# KiCad board HW.ACIM-PSU.kicad_pcb (continued)
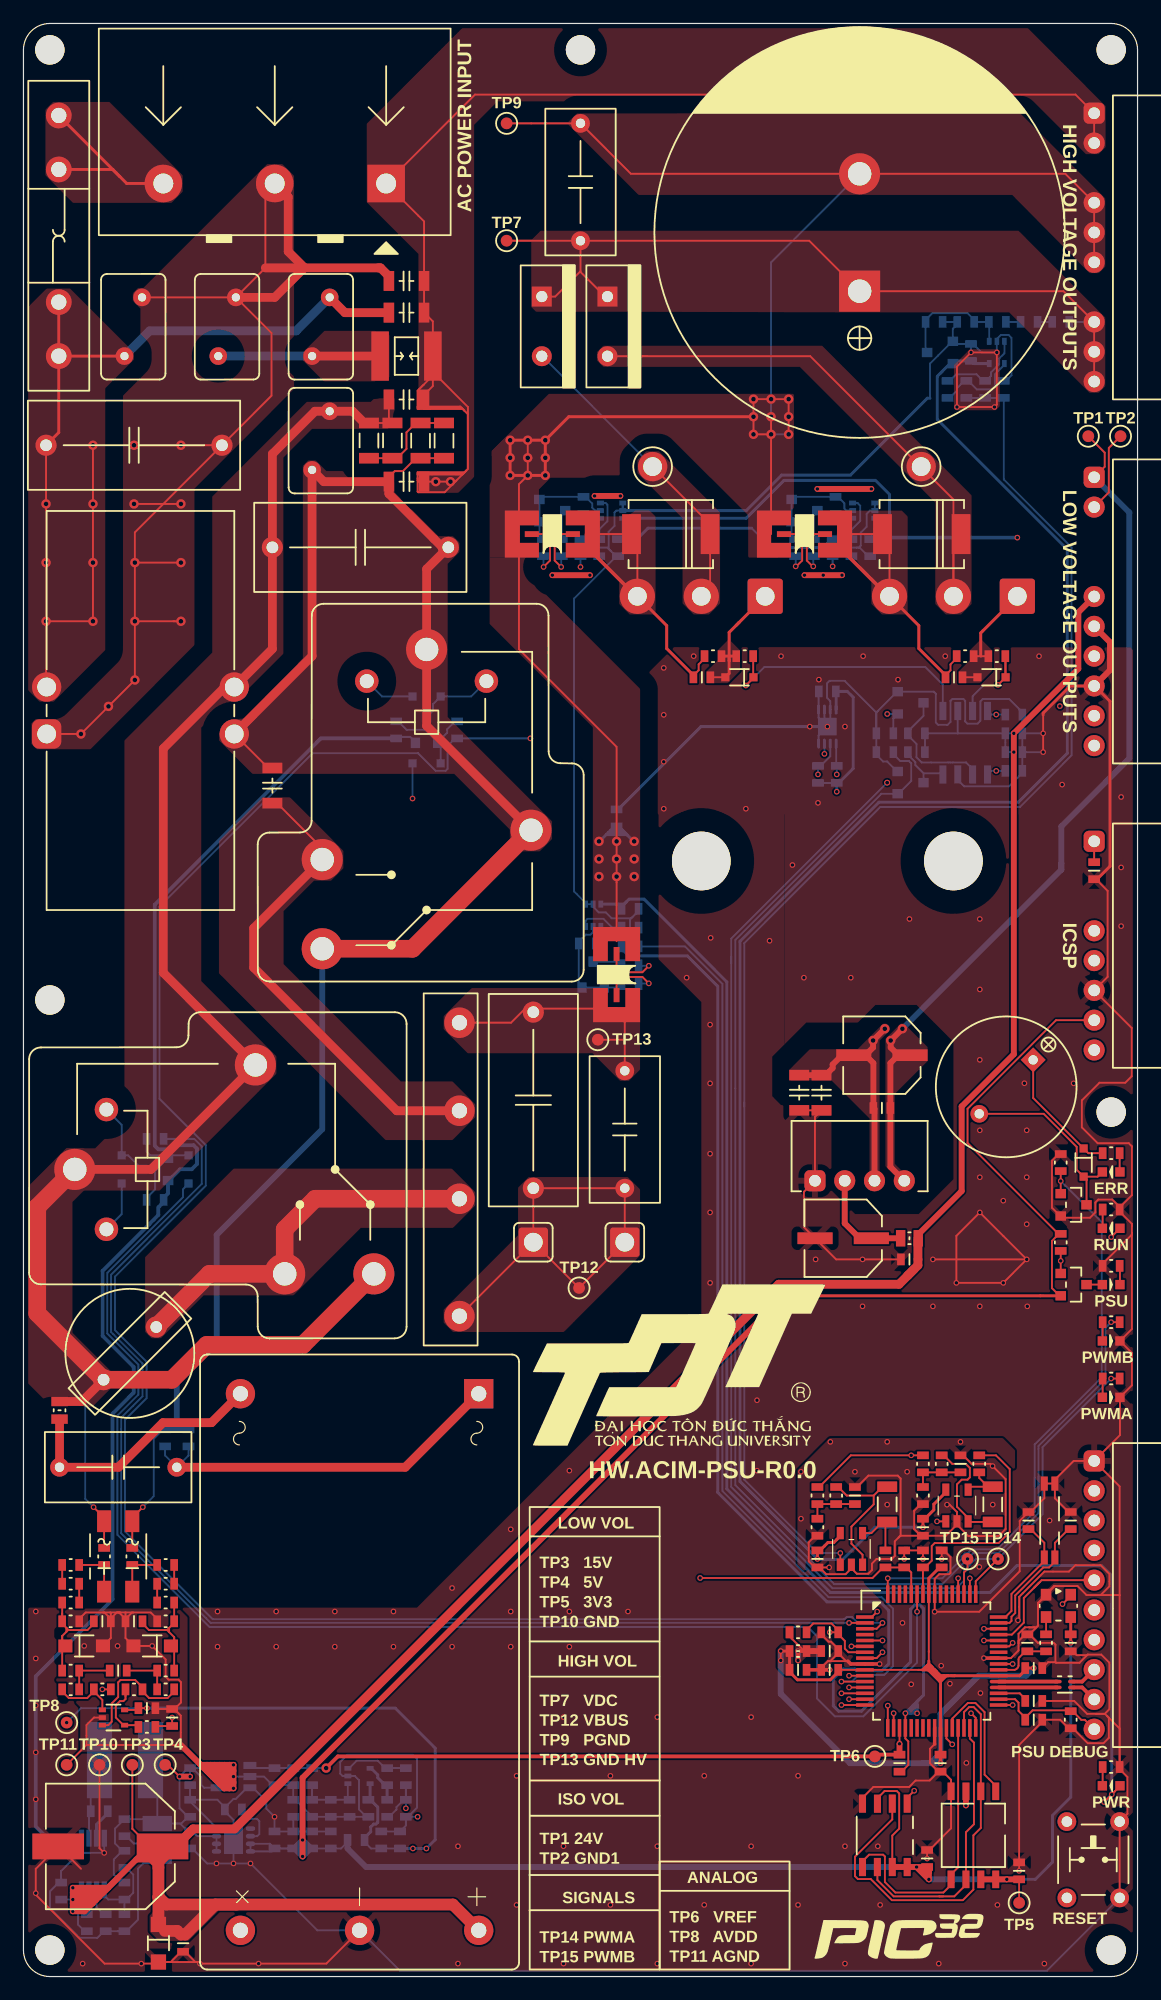
[diagram p0: board, top side]
## Routing (per net, layer and track width the routed paths; a pad name or vN(x,y) marks a point on that pad's centre or on a via; arc(x,y) is an arc through that point) (continued)
GND1: length 86.9
  Top w0.16: J4.2 92.55,126.44 92.55,130.24 TP2.1
  Top w0.5: 71.8,78.5 72.47,77.83 C16.1 72.57,73.91 MD2.3 ; 71.8,78.5 72.45,79.15 v2(72.45,79.75) v2(73.45,80.75) ; 71.8,78.5 69.8,78.5 69,77.7 69,77.4 68.4,76.8 C15.2 C14.2
  In1.Cu w0.5: v2(73.45,80.75) v2(72.45,79.75)
  In2.Cu w0.5: v2(72.45,79.75) v2(73.45,80.75) 74.33,81.63 75.8,81.63 88.5,94.33 88.5,97.98 94.3,103.78 94.3,122.19 J4.2
  Bottom w0.5: v2(73.45,80.75) v2(72.45,79.75)
GND_HV: length 25.8
  Top w0.16: 48.63,82.47 48.68,82.52 R15.1 ; 48.63,82.47 50.03,82.47 50.08,82.52 ; 48.63,82.47 42.78,82.47 41.58,81.27 BR1.4 ; 50.08,82.52 51.28,81.32 51.28,79.82 ; 50.08,82.52 R15.1 ; C28.1 51.28,79.82 ; 51.28,79.82 TP13.1 ; R15.1 52.33,82.52
PGND: length 199.6
  Top w0.16: TP9.1 C43.1 51.8,153.59 C44.- 88.84,153.59 J2.4 J2.6 ; 65.25,131.34 v2(65.25,134.39) v2(62.25,134.39) v2(62.25,131.39) v2(63.75,131.39) ; R28.1 v2(63.75,131.39) ; v2(63.75,131.39) v2(63.75,132.89) ; v2(43,130.89) v2(43,127.89) 42.25,127.14 R19.1 42.25,113.09 50.58,104.77 R15.2
  Top w0.25: v2(44.5,130.89) 46.5,132.89 v2(62.25,132.89) ; v2(44.5,130.89) v2(44.5,127.89) v2(41.5,127.89) v2(41.5,130.89) v2(44.5,130.89)
  Bottom w0.16: v2(65.25,131.39) v2(62.25,131.39) v2(62.25,134.39) v2(65.25,134.39) ; C44.- 63.75,146.04 v2(63.75,131.39)
  Bottom w0.25: FT3.2 50.4,97.99 50.05,97.64 ; FT3.2 v2(50.58,96.72) ; FT3.2 50.75,97.99 51.18,97.57 ; 51.18,97.57 51.1,97.64 50.05,97.64 ; 51.18,97.57 51.28,97.47 ; 51.5,97.25 52.03,96.72 v2(52.08,96.72) ; 51.5,97.25 51.28,97.47 ; 51.5,97.25 51.45,97.29 49.7,97.29 ; v2(49.08,96.72) 49.12,96.72 49.7,97.29 ; 51.28,97.47 49.88,97.47 ; 49.7,97.29 49.88,97.47 ; 49.88,97.47 50.05,97.64
  vias: v2(41.5,129.39) v2(43,129.39) v2(44.5,129.39) v2(49.08,95.22) v2(49.08,93.72) v2(50.58,95.22) v2(50.58,93.72) v2(52.08,95.22) v2(52.08,93.72) v2(63.75,134.39) v2(65.25,132.89)
VBUS: length 36.9
  Top w0.16: J6.1 C35.2 C28.2 J8.1 TP12.1 J6.1 ; J6.1 BR1.1
/Interleaved PFC/IDC_SENSE_N: length 5.1
  Top w0.16: R15.3 50.58,84.67 51.08,85.17 52.78,85.17 v1(53.33,84.62)
  Bottom w0.16: v1(53.33,84.62) 52.5,84.62 R35.2
/Interleaved PFC/IDC_SENSE_P: length 5.1
  Top w0.16: R15.4 50.58,86.07 51.08,85.57 52.78,85.57 v1(53.33,86.12)
  Bottom w0.16: v1(53.33,86.12) 52.5,86.12 R36.2
/Interleaved PFC/PFC_ENA: length 99.8
  Top w0.16: U14.52 v1(79.7,33.93)
  In1.Cu w0.16: v1(79.7,33.93) 79.22,33.44 66.78,33.44 60.8,39.42 60.8,77.02 74.3,90.52 74.3,98.27 78.75,102.72 v1(82.95,102.72) 82.67,102.72
  Bottom w0.16: U5.1 82.51,102.72 v1(82.95,102.72) R24.2
/Interleaved PFC/PFC_ENB: length 103.9
  Top w0.16: U14.50 v1(80.7,33.93)
  In1.Cu w0.16: 73.9,98.17 73.9,90.62 60.45,77.17 60.45,39.27 66.63,33.09 79.87,33.09 v1(80.7,33.93) ; 73.9,98.17 73.9,98.32 ; 73.9,98.17 73.9,98.47 v1(82.95,107.52)
  Bottom w0.16: R26.2 v1(82.95,107.52) 82.51,107.52 U5.8
/Interleaved PFC/PFC_GATE_A: length 8.3
  Top w0.16: v1(83.1,110.04) 83.73,110.67 R25.2 83.75,112.47 D9.K
  Bottom w0.16: v1(83.1,110.04) 81.9,110.04 80.94,109.08 U5.7
/Interleaved PFC/PFC_GATE_B: length 23.1
  Top w0.16: v1(61.6,109.99) 62.25,110.64 D6.K 62.23,110.72 R17.2
  Bottom w0.16: v1(61.6,109.99) 63.18,111.57 76.9,111.57 78.4,110.07 U5.5
/Interleaved PFC/PFC_IA_SENSE_N: length 5.2
  Top w0.16: R19.3 44.3,122.89 44.9,122.29 44.9,120.64 v1(44.35,120.09)
  Bottom w0.16: v1(44.35,120.09) 44.35,120.97 R33.2
/Interleaved PFC/PFC_IA_SENSE_P: length 5.2
  Top w0.16: R19.4 45.9,122.89 45.3,122.29 45.3,120.64 v1(45.85,120.09)
  Bottom w0.16: v1(45.85,120.09) 45.85,120.97 R34.2
/Interleaved PFC/PFC_IB_SENSE_N: length 5.2
  Top w0.16: 65.85,120.09 66.4,120.64 66.4,122.39 65.9,122.89 R28.3
  Bottom w0.16: v1(65.85,120.14) 65.85,120.97 R55.2
/Interleaved PFC/PFC_IB_SENSE_P: length 5.2
  Top w0.16: 67.35,120.09 66.8,120.64 66.8,122.39 67.3,122.89 R28.4
  Bottom w0.16: R56.2 67.35,120.97 v1(67.35,120.14)
/Interleaved PFC/PFC_PWMA: length 126.4
  Top w0.16: U14.49 81.2,33.68 v1(83.1,35.58) ; R84.2 v1(92.75,50.95)
  In1.Cu w0.16: v1(73.65,101.72) v1(73.65,107.57)
  Bottom w0.16: 60.35,86.32 60.35,41.72 68.98,33.08 79.56,33.08 80.2,33.73 80.2,34.58 81.2,35.58 v1(83.1,35.58) 86.9,39.38 86.9,45.1 v1(92.75,50.95) ; 60.35,86.32 60.35,88.42 v1(73.65,101.72) ; 60.35,86.32 60.35,86.92 ; v1(73.65,107.57) Q4.1 74.18,107.19 R20.1
/Interleaved PFC/PFC_PWMB: length 126.5
  Top w0.16: 80.2,35.28 v1(80.5,35.58) 80.5,34.73 80.2,34.43 U14.51 ; R85.2 v1(92.75,55.75)
  Bottom w0.16: 86.55,42.58 86.55,39.48 83.15,36.08 81.01,36.08 v1(80.5,35.58) 78.36,33.44 69.13,33.44 60.7,41.87 60.7,75.67 60.7,88.32 73.15,100.77 Q5.1 74.6,100.77 75.7,101.87 75.7,103.37 75.5,103.57 74.75,103.57 74.18,104.14 R22.1 ; 86.55,42.58 86.55,41.63 ; 86.55,42.58 86.55,45.2 92.27,50.92 92.27,55.27 v1(92.75,55.75)
/Interleaved PFC/SCL: length 94.4
  Top w0.16: U14.5 v1(73.25,28.63)
  In2.Cu w0.16: v1(67.75,102.42) 63.42,98.09 63.42,91.37 61.65,89.6 61.65,59.33 79.6,41.38 79.6,38.95 77.9,37.25 74.18,37.25 71.82,34.9 71.82,30.06 v1(73.25,28.63)
  Bottom w0.16: U4.2 68.8,103.97 67.98,103.14 R16.1 v1(67.75,102.42)
/Interleaved PFC/SDA: length 98.3
  Top w0.16: U14.6 v1(70.6,28.13)
  In2.Cu w0.16: v1(70.6,28.13) 73.45,28.13 73.75,28.43 73.75,28.83 72.14,30.44 72.14,34.77 74.28,36.9 78.05,36.9 79.95,38.8 79.95,41.48 62,59.43 62,89.5 63.77,91.27 63.77,97.99 67.48,101.7 68.63,101.7 v1(69.35,102.42)
  Bottom w0.16: v1(69.35,102.42) R14.1 69.3,103.19 U4.1
/Interleaved PFC/~{THERMAL_ALERT}: length 98
  Top w0.16: v1(73.25,27.63) 72.75,27.13 U14.8
  In2.Cu w0.16: 69.74,102.73 69.7,102.77 ; 69.7,102.77 69.85,102.62 69.85,102.24 68.96,101.35 67.58,101.35 64.11,97.87 64.11,91.15 62.35,89.39 62.35,59.54 80.3,41.58 80.3,38.65 78.2,36.55 74.38,36.55 72.46,34.63 72.46,32.17 74.1,30.53 74.1,27.98 73.75,27.63 v1(73.25,27.63) ; 69.7,102.77 v1(68.3,104.17)
  Bottom w0.16: U4.3 v1(68.3,104.17)
/MCU/CTS2: length 25.9
  Top w0.16: U14.33 v1(84.35,23.13)
  In2.Cu w0.16: v1(84.35,23.13) 80.75,26.73 80.75,29.68 81.52,30.45 82.45,30.45 90.15,38.15 90.15,40.24 J5.2
/MCU/IDC_SENSE: length 115.8
  Top w0.16: U12.1 v1(77.9,38.78) ; U14.12 v1(69.75,25.13)
  In2.Cu w0.16: v1(69.75,25.13) 65.03,25.13 63.3,26.86 63.3,34.63 67.45,38.78 v1(77.9,38.78)
  Bottom w0.16: v1(69.75,25.13) 70.65,25.13 71.22,25.7 73.39,25.7 74.15,26.45 74.15,31.35 73.18,32.32 68.65,32.32 59.6,41.37 59.6,84.57 56.4,87.77 C58.2 R48.2
/MCU/IND_ERR: length 51.2
  Top w0.16: U14.64 v1(73.7,33.93) ; R79.1 v1(88.45,67.78) Q8.1
  Bottom w0.16: 86.23,42.48 86.23,45.34 91.95,51.06 91.95,64.28 90.78,65.45 ; 86.23,42.48 86.23,39.61 83.02,36.41 80.87,36.41 80.53,36.06 80.28,36.06 80,35.78 80,35.58 78.35,33.93 v1(73.7,33.93) ; 86.23,42.48 86.23,41.76 ; 90.78,65.45 90.9,65.32 ; 90.78,65.45 v1(88.45,67.78)
/MCU/IND_RUN: length 47.5
  Top w0.16: U14.1 72.34,30.63 v1(72.8,31.09) ; D21.A v1(92.75,63)
  In1.Cu w0.16: v1(72.8,31.09) 73.31,31.6 81.83,31.6 84.75,34.53 84.75,50.2 90.2,55.65 90.2,60.45 v1(92.75,63)
/MCU/PFC_IA_SENSE: length 129.2
  Top w0.16: U14.13 v1(70.4,24.63)
  In2.Cu w0.16: v1(47.5,120.09) 47.5,110.59 36.35,99.44 36.35,94.14 41.2,89.29 54.2,89.29 54.57,88.92 ; 54.3,89.19 54.57,88.92 ; 54.57,88.92 59.75,83.74 59.75,29.95 65.08,24.63 v1(70.4,24.63)
  Bottom w0.16: v1(47.5,120.09) C57.2 R47.2
/MCU/PFC_IB_SENSE: length 154.2
  Top w0.16: U14.14 v1(69.75,24.13)
  In2.Cu w0.16: 36.05,93.95 36.95,93.05 ; 36.95,93.05 41.05,88.95 54.09,88.95 59.4,83.64 59.4,29.85 65.12,24.13 v1(69.75,24.13) ; 36.95,93.05 36,94 36,99.55 47.18,110.73 47.18,119.48 46.85,119.8 46.85,120.6 47.55,121.3 67.84,121.3 v1(69,120.14)
  Bottom w0.16: R58.2 C63.2 v1(69,120.14)
/MCU/PFC_VREF: length 81.2
  Top w0.16: U14.16 v1(69.75,23.13) ; v1(6.73,24.47) R53.1
  In2.Cu w0.16: v1(6.73,24.47) 6.73,18.87 11.26,14.33 v1(32.61,14.33) 41.41,23.13 v1(69.75,23.13)
  Bottom w0.16: v1(32.61,14.33) C55.2 ; C55.2 R46.2 ; C55.2 32.44,15.06 31.81,14.44 31.81,14.23 31.19,13.61 R45.1
/MCU/PGC: length 83.6
  Top w0.16: U14.17 v1(73.7,23.08)
  In1.Cu w0.16: v1(73.7,23.08) 73.7,23.65 71.95,25.4 71.95,31.43 72.83,32.3 81.53,32.3 84.05,34.83 84.05,50.4 89.53,55.88 89.53,59.2 87.63,61.1 87.63,61.93 ; J3.4 90.16,87.96 90.16,85.87 87.63,83.34 87.63,61.93 ; 87.63,61.63 87.63,61.93
/MCU/PGD: length 84
  Top w0.16: R75.2 v1(88.45,60.98) Q7.1 ; U14.18 v1(74.2,22.43)
  In1.Cu w0.16: 87.95,65.95 87.95,83.21 J3.5 ; 87.95,65.95 87.95,64.88 ; 87.95,65.95 87.95,63.7 ; 87.95,63.7 87.95,61.48 v1(88.45,60.98) 89.85,59.57 89.85,55.75 84.4,50.3 84.4,34.68 81.68,31.95 72.95,31.95 72.32,31.32 72.32,25.48 74.2,23.6 v1(74.2,22.43) ; 87.95,63.7 87.95,63.98
/MCU/RL_INRUSH_EN: length 222
  Top w0.16: U14.3 72.75,29.63 v1(73.25,30.13)
  In1.Cu w0.16: v1(88.38,108.24) 88.38,106.04 89.54,104.88 J4.10
  In2.Cu w0.16: v1(43.23,105.49) 46.58,108.84 87.78,108.84 v1(88.38,108.24)
  Bottom w0.16: v1(43.23,105.49) R10.1 36.81,105.49 36.17,104.85 36.17,102.9 36,102.73 35.15,102.73 33.65,104.23 24.67,104.23 11.6,91.16 11.6,74.78 15.55,70.83 15.55,67.38 7.8,59.63 7.8,55.08 10.5,52.38 10.5,49.28 8.65,47.43 8.65,37.93 16.13,30.45 70.02,30.45 70.2,30.63 70.65,30.63 71.15,30.13 v1(73.25,30.13)
/MCU/RL_TEST_EN: length 108.7
  Top w0.16: U14.2 v1(70.4,30.13)
  Bottom w0.16: v1(70.4,30.13) 15.97,30.13 8.33,37.77 8.33,47.61 10.15,49.43 10.15,52.23 7.47,54.91 7.47,55.58 ; 7.47,55.58 7.47,54.96 ; 7.47,55.58 7.47,59.8 15.2,67.53 15.2,70.73 14.56,71.37 R12.1
/MCU/RTS2: length 28.3
  Top w0.16: U14.32 81.2,22.03 v1(80.8,22.43)
  In2.Cu w0.16: J5.3 82.58,30.13 81.7,30.13 81.1,29.53 81.1,28.63 ; 81.1,28.63 81.1,28.28 ; 81.1,28.63 81.1,26.88 84.35,23.63 84.55,23.63 84.83,23.35 84.83,22.91 84.35,22.43 v1(80.8,22.43)
/MCU/RXD1: length 16.2
  Top w0.16: U14.44 v1(81.9,28.63)
  In2.Cu w0.16: v1(81.9,28.63) 83.55,26.98 83.55,26.3 84.72,25.13 87.25,25.13 90.15,28.03 90.15,30.08 J5.6
/MCU/RXD2: length 19.7
  Top w0.16: v1(84.35,28.43) 84.05,28.13 U14.43
  In2.Cu w0.16: v1(84.35,28.43) 83.87,27.95 83.87,26.43 84.82,25.48 87.15,25.48 89.83,28.16 89.83,30.21 90.15,30.53 90.15,35.16 J5.4
/MCU/SCK: length 23.8
  Top w0.16: 78.1,6.83 74.21,6.83 72.82,8.22 U15.6 ; 78.1,6.83 79.38,6.83 80.37,7.82 U16.6 80.37,12.29 81.05,12.98 81.05,19.93 80.7,20.28 U14.31 ; 78.1,6.83 78.43,6.83
/MCU/SDI: length 37.2
  Top w0.16: U14.30 80.2,22.52 80.63,22.95 81.03,22.95 81.64,22.34 U16.2 81.64,12.66 81,12.03 81,7.4 80.1,6.5 74.05,6.5 72.25,8.3 71.15,8.3 70.9,8.55 70.9,10.2 74.09,13.39 U15.2
/MCU/SDO: length 24.8
  Top w0.16: U15.5 71.55,9.82 72.11,10.38 73.31,10.38 73.46,10.23 73.46,8.05 74.35,7.15 78.44,7.15 79.3,8.01 79.3,8.9 79.7,9.3 U14.29
/MCU/SOSCI: length 11.5
  Top w0.16: U14.47 84.08,30.13 84.25,30.3 84.25,30.65 84.57,30.97 84.57,32.47 86.95,34.85 87.45,34.85 87.95,35.35 X1.1 87.95,36.95 89.13,38.12 C89.2
/MCU/SOSCO: length 10.1
  Top w0.16: C88.2 85.88,38.12 87.05,36.95 X1.4 87.05,35.4 84.25,32.6 84.25,31.15 83.73,30.63 U14.48
/MCU/SYS_CLK: length 5.1
  Top w0.16: U14.39 84.5,26.13 arc(84.59,26.15) 84.67,26.2 84.78,26.31 arc(84.83,26.39) 84.85,26.48 84.85,27.03 arc(84.87,27.12) 84.92,27.2 85.43,27.7 C84.2 R83.1
/MCU/SYS_CLK_EN: length 9.2
  Top w0.16: v1(88.6,31.73) 89.3,32.43 U17.1 ; U14.40 v1(84.35,26.63)
  In2.Cu w0.16: v1(88.6,31.73) 84.35,27.48 v1(84.35,26.63)
/MCU/TXD1: length 16.1
  Top w0.16: U14.46 v1(81.9,29.63)
  In2.Cu w0.16: J5.7 87.39,24.78 84.6,24.78 83.23,26.15 83.23,26.85 81.95,28.13 81.72,28.13 81.42,28.43 81.42,29.15 v1(81.9,29.63)
/MCU/TXD2: length 12.5
  Top w0.16: 86.53,33.47 85.3,32.25 85.3,30.15 84.28,29.13 U14.45 ; 86.53,33.47 86.15,33.1 ; 86.53,33.47 86.68,33.62 ; 86.68,33.62 86.2,33.15 ; 86.68,33.62 86.82,33.77 J5.5
/MCU/USB_DM: length 2.3
  Top w0.32: J5.9 90.28,24.63 FT5.3
/MCU/USB_DP: length 2.3
  Top w0.32: J5.8 90.28,25.13 FT5.2
/MCU/VAC_SENSE: length 61.9
  Top w0.16: R57.2 11.33,21.34 C61.2 v1(12.68,22.07) ; U14.15 v1(70.4,23.63)
  In2.Cu w0.16: v1(12.68,22.07) 14.24,23.63 v1(70.4,23.63)
/MCU/VDC_SENSE: length 151.4
  Top w0.16: U13.1 v1(69.65,36.08) ; U14.11 v1(70.4,25.63)
  In2.Cu w0.16: v1(70.4,25.63) 65.03,25.63 63.7,26.95 63.7,34.55 65.23,36.08 v1(69.65,36.08)
  Bottom w0.16: v1(69.65,36.08) 67.72,36.08 61.47,42.33 61.47,74.12 ; 61.47,74.12 61.47,74.49 ; 61.47,74.12 61.47,88.05 73.06,99.65 84.98,99.65 89.38,104.05 89.38,121.76 83.6,127.54 C71.1 R73.1 80.23,134.5
/MCU/~{INV_FAULT}: length 228.2
  Top w0.16: U14.59 v1(76.2,31.08)
  In2.Cu w0.16: v1(76.2,31.08) 74,31.08 72.78,32.3 72.78,34.5 74.48,36.2 78.32,36.2 80.62,38.5 80.62,41.72 66.17,56.17 66.17,58.2 65.88,58.49 64.9,58.49 63.09,60.3 63.09,86.21 83.72,106.85 88.67,106.85 89.24,107.41 J4.9
  Bottom w0.16: D4.K 14.08,67.55 13.6,67.08 13.6,66.4 7.15,59.95 7.15,54.78 9.8,52.13 9.8,49.58 8.01,47.79 8.01,37.63 15.86,29.78 66.87,29.78 67.68,28.98 67.68,23.68 69.19,22.17 71.62,22.17 76.2,26.75 v1(76.2,31.08)
/MCU/~{MCLR}: length 113.4
  Top w0.16: C75.2 v1(68.75,29.33) ; C75.2 69.48,29.15 70.04,28.59 70.04,27.94 70.35,27.63 U14.7 ; C75.2 69.48,29.5 68.9,30.08 67.35,30.08 66.78,29.5 R76.2
  In2.Cu w0.16: 79.64,27.15 73.05,27.15 72.6,27.6 70.31,27.6 69.7,28.2 69.7,28.92 69.29,29.33 v1(68.75,29.33) ; 79.64,27.15 79.79,27 ; 79.64,27.15 79.79,27.3 ; 79.79,27.3 79.9,27.41 ; 79.79,27.3 79.79,27 ; 79.9,27.41 79.9,29.33 81.35,30.78 82.33,30.78 89.8,38.25 89.8,58.88 84.05,64.63 84.05,79.18 85.55,80.68 89.56,80.68 J3.8 ; 79.9,27.41 79.9,26.8 ; BT1.1 BT1.2 88.97,13.23 87.75,14.45 86.9,14.45 79.9,21.45 79.9,26.8 ; 79.79,27 79.9,26.89 79.9,26.8
/MCU/~{MEM_CFG}: length 11.6
  Top w0.16: 83.11,15.78 83.11,16.05 81.96,17.2 81.96,22.52 81.18,23.3 80.53,23.3 79.2,21.98 U14.28
/MCU/~{MEM_TMP}: length 8.9
  Top w0.16: U15.1 75.36,15.23 v1(75.96,15.83) ; v1(79.2,19.78) 78.7,20.28 U14.27
  In2.Cu w0.16: v1(75.96,15.83) 77.13,15.83 79.2,17.9 v1(79.2,19.78)
/MCU/~{PFC_FLT_OC}: length 134.9
  Top w0.16: U14.60 75.7,34.43 75.28,34.85 C73.2 ; C73.2 R72.2 73.3,34.85 72.4,33.95 v1(57.7,33.95) ; C73.2 75.2,34.75
  In2.Cu w0.16: v1(33.18,100.37) 19.88,100.37 12.98,93.47 12.98,61.19 40.21,33.95 v1(57.7,33.95)
  Bottom w0.16: 33.18,103.36 D2.K v1(33.18,100.37)
/MCU/~{PFC_FLT_OV}: length 20.3
  Top w0.16: U14.58 C72.2 76.88,34.85 77.45,35.43 77.45,36.68 77.7,36.93 83.15,36.93 84.1,37.88 84.1,43.23 82.93,44.4 R71.2 81.5,44.18
/VC Measurement/VAC_SENSE_N: length 10
  Top w0.16: C54.2 10.15,30.07 10.69,29.53 12.25,29.53 ; 12.42,29.35 12.25,29.52 12.25,29.53 ; 12.42,29.35 12.85,28.92 ; 12.42,29.35 12.42,29.66 12.4,29.68 ; 12.25,29.53 12.4,29.68 ; 12.85,28.92 12.85,28.44 D15.K ; 12.85,28.92 R50.2 ; 12.4,29.68 12.85,30.13 R44.1 R42.2
/VC Measurement/VAC_SENSE_P: length 11.2
  Top w0.16: 3.3,29.02 3.3,28.44 D14.K ; 3.3,29.02 3.66,29.37 ; 3.3,29.02 R49.2 ; 3.66,29.37 3.8,29.52 3.85,29.52 ; 3.66,29.37 3.66,29.69 3.67,29.7 ; 3.3,30.92 R43.1 ; 3.3,30.92 3.3,30.08 R43.1 ; 3.3,30.92 R41.2 ; R43.1 3.3,30.07 3.67,29.7 ; 3.85,29.52 5.45,29.52 6,30.07 C53.2 ; 3.85,29.52 3.67,29.7
AC1: length 210.5
  Top w0.16: R4.2 29.06,132.36 ; R4.2 29.16,132.66 ; R4.2 R7.2 ; R7.2 31.16,132.66 C7.1 ; R7.2 31.01,132.36 ; v1(5.98,39.99) 6.88,39.09 BR2.2 R31.2
  Top w0.75: 3.38,48.99 4.98,48.99 B1.1 ; 29.06,132.36 28.06,133.36 M4.2 24.86,133.36 21.23,129.73 C11.2 21.23,113.12 FT1.4 17.17,109.87 11.93,104.63 11.93,85.52 RL2.4 10.88,68.77 RL2.3
  Top w1.5: RL2.5 23.83,53.82 15.63,53.82 12.66,50.85 B1.1 1.18,56.5 1.18,65.57 RL2.3
  In1.Cu w1.5: RL2.3 1.18,65.57 1.18,56.5 B1.1 12.66,50.85 15.63,53.82 23.83,53.82 RL2.5
  Bottom w0.16: B1.1 5.26,49.27 5.26,40.71 v1(5.98,39.99)
AC2: length 185.7
  Top w0.16: 20.93,102.97 20.88,102.97 FT1.2 ; R32.2 BR2.3 9.28,39.09 v1(10.18,39.99) ; 35.73,121.77 C11.1 ; C12.1 31.16,127.76 31.66,128.26 32.36,128.26 33.46,129.36 R9.2 R8.2 ; 34.06,129.06 34.36,129.36
  Top w0.75: 35.73,121.77 31.16,126.33 C12.1 25.61,127.36 M4.1 24.61,112.5 FT1.2 ; C11.1 34.38,119.92 34.38,106.57 RL1.4
  Top w1.5: RL1.5 33.18,87.57 RL1.4
  In1.Cu w1.5: RL1.5 33.18,87.57 RL1.4
  Bottom w0.16: 13.85,46.62 R2.2 14.28,46.62 ; v1(10.18,39.99) 11.11,40.92 11.11,45.82 11.9,46.62 R1.2 12.3,46.62
  Bottom w0.5: 12.63,46.94 13.48,46.94 13.5,46.97 ; 12.63,46.94 13.08,47.39 ; 12.63,46.94 12.3,46.62 ; 13.5,46.97 13.85,46.62 ; 13.5,46.97 13.08,47.39 ; 13.08,47.39 13.08,50.57 16.48,53.97 16.48,63.19 25.48,72.19 25.48,86.92 24.83,87.57 ; R2.2 R1.2
CHASSIS: length 144.1
  Top w0.16: G1.1 34.91,136.71 37.9,133.72 37.9,133.11 ; G1.1 34.91,136.41 34.11,135.61 ; G1.1 34.91,135.51 34.16,134.76 C7.2 34.16,133.56 34.66,133.56 ; G1.1 34.91,141.01 C5.2 C3.2 34.16,149.53 J1.1 38.5,160.34 89.71,160.34 J2.1 J2.2 ; 37.9,133.11 37.9,128.44 37.77,128.31 ; 37.9,133.11 37.58,133.43 ; 36.92,127.46 35.92,126.46 33.66,126.46 33.61,126.51 33.61,127.66 ; 36.92,127.46 36.82,127.36 v2(36.41,127.36) v2(35.16,127.36) C12.2 33.71,127.36 33.61,127.46 33.61,127.66 ; 36.92,127.46 37.77,128.31 ; 37.52,128.06 37.42,127.96 33.61,127.96 ; 37.52,128.06 37.62,128.16 ; 37.52,128.06 33.61,128.06 ; 37.62,128.16 37.77,128.31 ; 37.62,128.16 33.61,128.16 33.61,128.06 ; 33.61,127.66 33.61,127.96 ; 33.61,127.96 33.61,128.06 ; 33.71,133.56 33.71,135.21 34.11,135.61 ; 33.71,133.56 33.61,133.56 33.61,133.66 ; 33.71,133.56 34.66,133.56 ; 37.45,133.56 37.58,133.43 ; 37.45,133.56 37.35,133.66 33.61,133.66 ; 37.45,133.56 34.66,133.56 ; 37.58,133.43 37.25,133.76 33.61,133.76 ; 34.11,135.61 33.61,135.11 33.61,133.76 ; 33.61,133.76 33.61,133.66
  Bottom w0.16: J2.1 J2.2
VDC: length 69.8
  Top w0.16: C43.2 47.5,145.29 ; C43.2 TP7.1 ; C43.2 67,147.89 C44.+ 88.68,143.59 J2.8 J2.10 ; 47.5,145.29 47.5,145.23 49.6,143.13 ; 47.5,145.29 45.34,143.13 44.4,143.13
  Bottom w0.16: J2.8 R63.1
VREF: length 108.1
  Top w0.16: U14.19 v1(74.7,19.83) ; R59.2 v1(75.7,44.4) 70.55,44.4 67.85,41.7 R61.2
  Top w0.32: C80.2 72.75,18.9 TP6.1 26.8,18.75 v2(25.81,17.76)
  Top w0.5: v1(74.7,19.83) C80.2
  In1.Cu w0.25: 73.63,22.2 73.15,22.68 73.15,23.63 71.5,25.28 71.5,31.53 72.68,32.7 81.38,32.7 83.65,34.98 83.65,36.45 v1(75.7,44.4) ; 73.63,22.2 74.7,21.13 v1(74.7,19.83) ; 73.63,22.2 73.9,21.93
  Bottom w0.16: U3.1 19.54,17.76 C29.2 R29.2 v2(25.81,17.76)
Net-(BR1-AC1): length 45.4
  Top w1.5: B1.2 15.85,59.87 RL2.6 22.28,63.67 24.88,66.27 BR1.2
  In1.Cu w1.5: B1.2 15.85,59.87 RL2.6
Net-(BR1-AC2): length 41.3
  Top w0.16: 20.93,99.97 21.63,99.97 25.48,96.12 RL1.6
  Top w0.75: RL1.6 19.63,89.32 19.63,85.97 31.83,73.77 BR1.3
Net-(BR2-DC+): length 4.4
  Top w0.16: BR2.1 R31.1 R37.1
Net-(BR2-DC-): length 4.4
  Top w0.16: R38.1 R32.1 BR2.4
Net-(BZ1-V-): length 16.5
  Top w0.16: D19.A 90.65,67.9 Q8.3 ; D19.A 91.6,68.15 D20.K ; D19.A 89.81,68.74 89.81,70.69 87,73.5 BZ1.1
Net-(C2-Pad1): length 113.3
  Top w0.16: v2(9.5,120.47) 9.5,123.04 C2.1 ; v2(9.5,120.47) v2(9.5,115.47) ; v2(9.5,120.47) 13.38,120.47 13.43,120.42 ; v2(9.5,115.47) 12.93,115.47 ; v2(9.5,115.47) v2(9.5,110.47) v2(7.25,108.22) v2(4.9,105.87) FT1.1 1.43,105.87 ; v2(13.43,125.47) 9.48,125.47 9.43,125.52 ; 20.63,152.77 20.63,145.58 M2.2 ; M2.2 M1.1 ; M2.2 21.15,140.02 21.15,134.69 C2.1 ; C2.1 v2(9.43,130.47) ; 12.78,115.47 v2(13.43,115.47)
  Top w0.75: 23.98,145.58 20.63,145.58 ; 23.98,145.58 30.45,145.58 31.16,144.86 C3.1 ; 23.98,145.58 23.97,145.58 ; M2.2 21.42,143.06 23.94,145.58 23.97,145.58 ; J1.2 22.58,151.62 22.58,146.97 23.97,145.58
  vias: v2(9.43,125.47) v2(13.43,130.47) v2(13.43,120.47)
Net-(C2-Pad2): length 83.2
  Top w0.16: v2(1.93,115.47) v2(5.93,115.47) v2(5.93,125.47) v2(5.93,130.47) ; v2(1.93,115.47) v2(1.93,120.47) v2(1.93,125.47) C2.2 ; v2(1.93,115.47) 1.93,110.37 1.43,109.87
  Top w0.25: F1.2 3.01,131.55 C2.2 ; F1.2 F1.2 ; F1.2 M1.2
  Top w0.75: M3.2 27.41,141.76 C5.1
  Bottom w0.75: M1.2 10.76,140.21 23.26,140.21 M3.2
  vias: v2(5.93,120.47)
Net-(C56-Pad1): length 4.2
  Top w0.16: C56.1 R50.1 11.4,24.47
Net-(C56-Pad2): length 4.2
  Top w0.16: R51.2 R49.1 C56.2
Net-(C64-Pad2): length 4.5
  Top w0.16: R60.2 R59.1 C64.2
Net-(C65-Pad2): length 4.6
  Top w0.16: C65.2 R61.1 R62.2 ; 67.9,39 68.03,39
Net-(C74-Pad2): length 1.8
  Top w0.16: C74.2 J3.1
Net-(D12-A1): length 9.5
  Bottom w0.16: U7.5 48.75,124.89 48.5,125.14 48.5,125.49 47.93,126.07 C47.2 44.22,126.07 D12.2 44,125.84 D12.1 44,122.77 R33.1